# KiCad board 100p-keebored.kicad_pcb (continued)
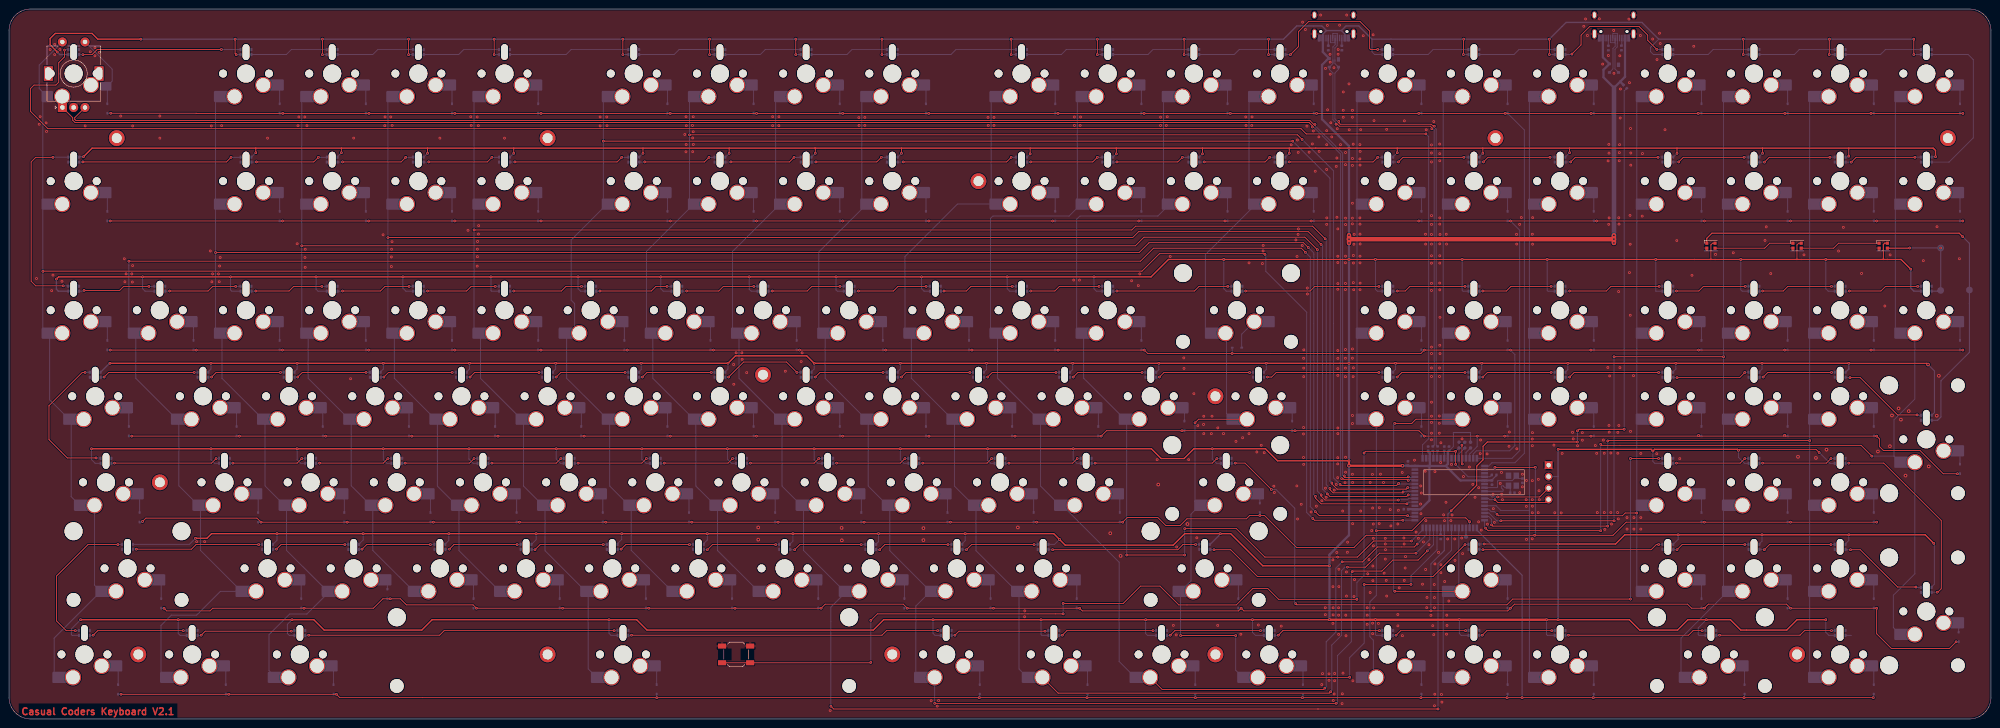
[diagram p0: board, top side]
## Routing (per net, layer and track width the routed paths; a pad name or vN(x,y) marks a point on that pad's centre or on a via; arc(x,y) is an arc through that point) (continued)
  Bottom w0.5: 313.64,56.01 U1.64 309.33,56.01 C3.1 308.08,56.07 v2(308.06,56.06) ; 313.64,56.01 317.64,56.01 ; 313.64,56.01 314.01,56.01 ; 317.64,56.01 320.84,52.81 U1.21 327.81,52.81 327.87,52.87 ; 317.64,56.01 318.09,56.46 U1.8 318.09,59.1 C6.1 ; C7.1 310.76,46.43 U1.52 312.04,46.41 314.01,48.37 314.01,56.01 ; 356.18,141.1 357.26,142.18 J3.A9 ; 356.18,141.1 356.18,141.09 R9.2 ; 356.18,141.1 354.81,139.72 352.49,142.04 352.49,143.71 D130.4 352.36,146.47 J3.A4 ; C4.1 313.73,59.19 314.09,58.83 U1.3 314.09,56.09 314.01,56.01 ; v1(291.91,21.97) v1(291.91,33.91) 291.91,36.37 296.23,40.69 v2(296.23,56.06) v1(296.23,57.15) v1(296.23,78.71) v1(296.23,101.73) v2(296.23,105.36) v2(296.23,107.09) v1(296.23,126.36) 296.23,126.8 290.26,132.77 290.26,144.78 291.69,146.21 D200.4 290.44,147.66 J2.A4
  Bottom w1: 354.81,139.72 354.81,107.07 v2(354.8,107.06) 354.81,107.05 v2(354.8,106.22) v2(354.8,105.38) 354.81,107.04
LED Input: length 403.6
  Top w0.2: v1(12.26,148.08) 12.26,146.56 10.99,145.29 10.99,140.97 10.35,140.33 5.52,140.33 4.76,139.57 4.76,134.49 8.57,130.68 285.61,130.68 286.78,129.51 v1(313.25,129.51)
  Bottom w0.2: D201.4 12.36,148.19 v1(12.26,148.08) ; U1.1 312.49,60.69 313.86,62.05 313.86,128.9 v1(313.25,129.51)
MISO: length 2.7
  Bottom w0.189: J1.1 322.09,58.99 U1.13
MOSI: length 6.3
  Top w0.189: v1(321.27,56.46) 321.2,56.54 v1(321.2,60.62)
  Bottom w0.189: J1.4 321.83,61.26 v1(321.2,60.62) ; v1(321.27,56.46) 321.29,56.48 U1.12
RESET: length 225.1
  Top w0.189: v1(299.55,58.88) 299.94,59.26 v1(319.8,59.26) v1(319.8,56.36)
  Top w0.2: v1(233.03,23.27) 191.96,23.27 v1(190.51,21.82) ; v1(297.98,26.49) 280.66,26.49 278.24,28.91 274.97,28.91 271.31,25.25 258.61,25.25 254.44,29.41 250.15,29.41 246.32,25.58 v1(233.03,25.58) ; v1(190.51,12.52) 190.43,12.44 SW200.2 SW200.2
  Bottom w0.189: R1.2 327.39,53.61 U1.20 322.56,53.61 v1(319.8,56.36) ; v1(299.55,58.88) 299.55,31.8 297.98,30.23 v1(297.98,26.49) ; J1.5 320.54,59.99 v1(319.8,59.26)
  Bottom w0.2: v1(233.03,23.27) v1(233.03,25.58) ; v1(190.51,21.82) v1(190.51,12.52)
Row1: length 509
  Top w0.2: v1(431.94,134.06) v1(411.64,134.06) v1(392.59,134.06) v1(373.44,134.06) v1(349.76,134.06) v1(330.76,134.06) v1(311.66,134.06) v1(289.04,134.06) v1(269.99,134.06) v1(250.94,134.06) v1(231.89,134.06) v1(203.31,134.06) v1(184.29,134.06) v1(165.24,134.06) v1(146.16,134.06) v1(117.61,134.06) v1(98.54,134.06) v1(79.57,134.06) v1(60.52,134.06) 41.41,134.06 41.37,134.09 v1(22.47,134.09)
  Bottom w0.2: v1(117.61,134.06) 117.58,134.09 D6.1 ; v1(22.47,134.09) 22.46,134.09 D1.1 ; D21.1 431.91,134.09 v1(431.94,134.06) ; v1(98.54,134.06) 98.51,134.09 D5.1 ; v1(250.94,134.06) 250.91,134.09 D12.1 ; v1(392.59,134.06) 392.62,134.09 D19.1 ; D18.1 373.47,134.09 v1(373.44,134.06) ; D9.1 184.26,134.09 v1(184.29,134.06) ; D20.1 411.67,134.09 v1(411.64,134.06) ; v1(165.24,134.06) 165.21,134.09 D8.1 ; v1(146.16,134.06) 146.13,134.09 D7.1 ; D11.1 231.86,134.09 v1(231.89,134.06) ; D4.1 79.54,134.09 v1(79.57,134.06) ; D13.1 269.96,134.09 v1(269.99,134.06) ; U1.17 327.11,56.01 327.83,56.72 332.91,56.72 334.99,58.8 334.99,130.39 D16.1 330.79,134.09 v1(330.76,134.06) ; D14.1 289.01,134.09 v1(289.04,134.06) ; v1(60.52,134.06) 60.49,134.09 D3.1 ; v1(349.76,134.06) 349.79,134.09 D17.1 ; D10.1 203.28,134.09 v1(203.31,134.06)
  Bottom w0.25: D15.1 311.69,134.09 v1(311.66,134.06)
Row2: length 484
  Top w0.2: v1(22.36,110.24) v1(60.46,110.24) v1(79.51,110.24) v1(98.56,110.24) v1(117.61,110.24) v1(146.19,110.24) v1(165.24,110.24) v1(184.29,110.24) v1(203.34,110.24) v1(230.72,110.24) v1(249.77,110.24) v1(268.82,110.24) v1(287.87,110.24) v1(311.68,110.24) v1(331.92,110.24) v1(350.97,110.24) v1(374.79,110.24) v1(393.84,110.24) v1(412.89,110.24) v1(431.94,110.24)
  Bottom w0.2: v1(117.61,110.24) 117.58,110.27 D26.1 ; D27.1 146.16,110.27 v1(146.19,110.24) ; D38.1 374.76,110.27 v1(374.79,110.24) ; v1(60.46,110.24) 60.43,110.27 D23.1 ; v1(79.51,110.24) 79.48,110.27 D24.1 ; v1(393.84,110.24) 393.81,110.27 D39.1 ; v1(98.56,110.24) 98.53,110.27 D25.1 ; D22.1 22.33,110.27 v1(22.36,110.24) ; v1(184.29,110.24) 184.26,110.27 D29.1 ; D41.1 431.91,110.27 v1(431.94,110.24) ; D35.1 311.71,110.27 v1(311.68,110.24) ; D37.1 350.94,110.27 v1(350.97,110.24) ; D30.1 203.31,110.27 v1(203.34,110.24) ; D36.1 331.89,110.27 v1(331.92,110.24) 333.97,108.2 333.97,59.41 332.27,57.71 U1.16 ; v1(230.72,110.24) 230.75,110.27 D31.1 ; D33.1 268.85,110.27 v1(268.82,110.24) ; D28.1 165.21,110.27 v1(165.24,110.24) ; D32.1 249.8,110.27 v1(249.77,110.24) ; D40.1 412.86,110.27 v1(412.89,110.24) ; v1(287.87,110.24) 287.9,110.27 D34.1
Row3: length 456.7
  Top w0.2: v1(22.36,81.67) v1(41.39,81.67) v1(60.44,81.67) v1(79.51,81.67) v1(98.54,81.67) v1(117.59,81.67) v1(136.66,81.67) v1(155.71,81.67) v1(174.74,81.67) v1(193.81,81.67) v1(212.86,81.67) v1(231.91,81.67) v1(250.96,81.67) 251.71,80.92 v1(270.4,80.92) 312.13,80.92 v1(312.87,81.67) v1(331.91,81.67) v1(349.71,81.67) v1(373.51,81.67) v1(392.56,81.67) v1(411.64,81.67) v1(431.94,81.67)
  Bottom w0.2: D60.1 392.59,81.7 v1(392.56,81.67) ; v1(231.91,81.67) 231.88,81.7 D53.1 ; D45.1 79.48,81.7 v1(79.51,81.67) ; D44.1 60.41,81.7 v1(60.44,81.67) ; v1(431.94,81.67) 431.91,81.7 D62.1 ; v1(312.87,81.67) 312.84,81.7 D56.1 ; D43.1 41.36,81.7 v1(41.39,81.67) ; v1(212.86,81.67) 212.83,81.7 D52.1 ; v1(411.64,81.67) 411.67,81.7 D61.1 ; v1(155.71,81.67) 155.68,81.7 D49.1 ; D50.1 174.71,81.7 v1(174.74,81.67) ; D57.1 331.88,81.7 v1(331.91,81.67) 332.91,80.68 332.91,60.53 331.74,59.36 324.4,59.36 323.69,58.66 U1.15 ; D42.1 22.33,81.7 v1(22.36,81.67) ; D47.1 117.56,81.7 v1(117.59,81.67) ; D58.1 349.74,81.7 v1(349.71,81.67) ; v1(98.54,81.67) 98.51,81.7 D46.1 ; D54.1 250.93,81.7 v1(250.96,81.67) ; D48.1 136.63,81.7 v1(136.66,81.67) ; D51.1 193.78,81.7 v1(193.81,81.67) ; v1(373.51,81.67) 373.54,81.7 D59.1 ; D55.1 270.41,80.94 v1(270.4,80.92)
Row4: length 428.5
  Top w0.2: v1(430.75,54.28) 427.62,54.28 422.47,59.44 414.37,59.44 413.48,60.32 413.48,62.02 v1(412.89,62.62) 392.74,62.62 v1(392.54,62.81) 392.35,62.62 373.66,62.62 v1(373.51,62.76) 373.37,62.62 v1(349.71,62.62) v1(330.66,62.62) v1(324.57,62.62) v1(312.87,62.62) 311.68,63.81 v1(284.3,63.81) v1(259.3,63.81) 242.63,63.81 v1(241.44,62.62) v1(222.39,62.62) v1(203.36,62.62) v1(184.29,62.62) v1(165.24,62.62) v1(146.19,62.62) v1(127.14,62.62) v1(108.09,62.62) v1(89.04,62.62) v1(69.99,62.62) v1(50.94,62.62) v1(27.12,62.62)
  Bottom w0.2: U1.14 322.89,58.64 324.57,60.32 v1(324.57,62.62) ; D69.1 146.16,62.65 v1(146.19,62.62) ; v1(108.09,62.62) 108.06,62.65 D67.1 ; v1(312.87,62.62) 312.84,62.65 D77.1 ; v1(222.39,62.62) 222.36,62.65 D73.1 ; D76.1 284.27,63.84 v1(284.3,63.81) ; v1(69.99,62.62) 69.96,62.65 D65.1 ; v1(392.54,62.81) 392.71,62.65 D81.1 ; v1(184.29,62.62) 184.26,62.65 D71.1 ; v1(27.12,62.62) 27.1,62.65 D63.1 ; v1(203.36,62.62) 203.33,62.65 D72.1 ; v1(241.44,62.62) 241.41,62.65 D74.1 ; v1(50.94,62.62) 50.91,62.65 D64.1 ; D70.1 165.21,62.65 v1(165.24,62.62) ; v1(412.89,62.62) 412.86,62.65 D82.1 ; D78.1 330.69,62.65 v1(330.66,62.62) ; v1(127.14,62.62) 127.11,62.65 D68.1 ; D79.1 349.74,62.65 v1(349.71,62.62) ; v1(89.04,62.62) 89.01,62.65 D66.1 ; v1(373.51,62.76) 373.63,62.65 D80.1 ; v1(259.3,63.81) 259.33,63.84 D75.1 ; D83.1 430.78,54.31 v1(430.75,54.28)
Row5: length 428.3
  Top w0.2: v1(29.51,43.72) 30.25,44.46 54.81,44.46 v1(55.7,43.57) v1(74.76,43.57) v1(93.81,43.57) v1(112.84,43.57) v1(131.91,43.57) v1(150.94,43.57) v1(170.01,43.57) v1(189.04,43.57) v1(208.11,43.57) v1(227.16,43.57) v1(246.2,43.57) 247.24,44.61 253.94,44.61 255.72,42.82 258.92,42.82 260.4,44.31 273.54,44.31 274.28,45.06 v1(276.52,45.06) 277.53,45.06 284.62,37.97 297.35,37.97 300.04,40.67 v1(337.27,40.67) 354.61,40.67 357.51,43.57 v1(374.79,43.57) v1(393.84,43.57) v1(412.89,43.57) ; v1(328.49,55.7) v1(337.43,55.7)
  Bottom w0.2: v1(337.27,40.67) 337.43,40.82 v1(337.43,55.7) ; D92.1 189.01,43.6 v1(189.04,43.57) ; v1(412.89,43.57) 412.28,43.57 D99.1 ; v1(227.16,43.57) 227.13,43.6 D94.1 ; D85.1 55.67,43.6 v1(55.7,43.57) ; v1(93.81,43.57) 93.78,43.6 D87.1 ; v1(276.52,45.06) 276.52,45.68 D96.1 ; v1(150.94,43.57) 150.91,43.6 D90.1 ; D95.1 246.17,43.6 v1(246.2,43.57) ; D93.1 208.08,43.6 v1(208.11,43.57) ; U1.18 327.99,55.21 v1(328.49,55.7) ; v1(131.91,43.57) 131.88,43.6 D89.1 ; D91.1 169.98,43.6 v1(170.01,43.57) ; D88.1 112.81,43.6 v1(112.84,43.57) ; v1(74.76,43.57) 74.73,43.6 D86.1 ; v1(393.84,43.57) 393.23,43.57 D98.1 ; v1(374.79,43.57) 374.76,43.6 D97.1 ; v1(29.51,43.72) 29.39,43.6 D84.1
Row6: length 439.7
  Top w0.2: v1(430.45,17.08) 428.96,15.59 416.16,15.59 412.89,18.86 v1(412.89,24.52) v1(393.84,24.52) 392.94,25.41 375.68,25.41 v1(374.79,24.52) 371.96,24.52 371.07,25.41 332.82,25.41 v1(331.92,24.52) 331.33,23.92 v1(314.34,23.92) 272.99,23.92 v1(272.39,24.52) 271.8,23.92 237.27,23.92 v1(236.67,24.52) v1(217.62,24.52) v1(198.57,24.52) 197.68,25.41 180.42,25.41 v1(179.52,24.52) v1(160.47,24.52) v1(141.41,24.52) v1(122.37,24.52) v1(103.32,24.52) 102.58,25.26 87.85,25.26 86.51,26.6 v1(84.27,26.6) 82.64,26.6 80.55,24.52 v1(65.22,24.52) 45.03,24.52 44.43,23.92 34.86,23.92 v1(34.27,24.52)
  Bottom w0.2: D106.1 160.45,24.55 v1(160.47,24.52) ; v1(331.92,24.52) 331.89,24.55 D112.1 ; v1(272.39,24.52) 272.36,24.55 D111.1 ; D100.1 33.66,24.52 v1(34.27,24.52) ; v1(412.89,24.52) 412.86,24.55 D115.1 ; D107.1 179.5,24.55 v1(179.52,24.52) ; v1(141.41,24.52) 141.38,24.55 D105.1 ; v1(393.84,24.52) 393.81,24.55 D114.1 ; v1(103.32,24.52) 103.3,24.55 D103.1 ; v1(122.37,24.52) 122.35,24.55 D104.1 ; v1(314.34,23.92) 314.34,34.34 316.52,36.53 ; v1(430.45,17.08) 430.48,17.11 D116.1 ; v1(374.79,24.52) 374.76,24.55 D113.1 ; D108.1 198.55,24.55 v1(198.57,24.52) ; v1(65.22,24.52) 65.2,24.55 D101.1 ; v1(84.27,26.6) 84.25,26.63 D102.1 ; v1(217.62,24.52) 217.6,24.55 D109.1 ; v1(236.67,24.52) 236.64,24.55 D110.1
  Bottom w0.25: 316.53,36.52 317.29,37.28 U1.42
Row7: length 439.5
  Top w0.2: v1(24.74,5.47) v1(72.37,5.47) 73.11,4.72 v1(143.21,4.72) v1(214.5,4.72) v1(238.31,4.72) v1(262.27,4.72) v1(285.94,4.72) v1(312.13,4.72) v1(331.18,4.72) v1(334.51,4.72) v1(350.23,4.72) v1(383.57,4.72) v1(412.14,4.72)
  Bottom w0.2: v1(383.57,4.72) 383.68,4.84 D128.1 ; D117.1 24.71,5.5 v1(24.74,5.47) ; D129.1 412.25,4.84 v1(412.14,4.72) ; D127.1 350.34,4.84 v1(350.23,4.72) ; D118.1 48.53,5.5 v1(48.56,5.47) ; D119.1 72.34,5.5 v1(72.37,5.47) ; v1(312.13,4.72) 312.24,4.84 D125.1 ; D123.1 262.23,4.76 v1(262.27,4.72) ; D120.1 143.17,4.76 v1(143.21,4.72) ; D126.1 331.29,4.84 v1(331.18,4.72) ; D122.1 238.42,4.84 v1(238.31,4.72) ; D121.1 214.61,4.84 v1(214.5,4.72) ; D124.1 286.05,4.84 v1(285.94,4.72)
  Bottom w0.25: U1.33 324.49,41.83 334.51,31.82 v1(334.51,4.72)
SCK: length 2.8
  Bottom w0.189: U1.11 320.49,58.66 J1.3
SCL: length 15.2
  Top w0.2: J4.3 338.39,49.15 v1(329.07,49.15)
  Bottom w0.2: U1.25 327.38,49.61 327.84,49.15 v1(329.07,49.15)
SDA: length 14.8
  Top w0.2: J4.4 339.71,47.93 329.11,47.93 v1(328.49,48.55)
  Bottom w0.2: U1.26 327.04,48.81 327.3,48.55 v1(328.49,48.55)
sw1Out: length 17.6
  Bottom w0.2: D1.2 21.73,139.48 20.87,140.33 ; SW130.S1 22.8,143.87 22.8,141.22 21.63,140.06 SW1.1
Net-(D3-A): length 4.5
  Bottom w0.2: D3.2 59.83,139.48 SW3.1
Net-(D4-A): length 4.5
  Bottom w0.2: SW4.1 78.88,139.48 D4.2
Net-(D5-A): length 4.5
  Bottom w0.2: D5.2 97.93,139.48 SW5.1
Net-(D6-A): length 4.5
  Bottom w0.2: SW6.1 116.98,139.48 D6.2
Net-(D7-A): length 4.5
  Bottom w0.2: D7.2 145.55,139.48 SW7.1
Net-(D8-A): length 4.5
  Bottom w0.2: D8.2 164.6,139.48 SW8.1
Net-(D9-A): length 4.5
  Bottom w0.2: SW9.1 183.65,139.48 D9.2
Net-(D10-A): length 4.5
  Bottom w0.2: SW10.1 202.7,139.48 D10.2
Net-(D11-A): length 4.5
  Bottom w0.2: D11.2 231.28,139.48 SW11.1
Net-(D12-A): length 4.5
  Bottom w0.2: D12.2 250.33,139.48 SW12.1
Net-(D13-A): length 4.5
  Bottom w0.2: D13.2 269.38,139.48 SW13.1
Net-(D14-A): length 4.5
  Bottom w0.2: SW14.1 288.43,139.48 D14.2
Net-(D15-A): length 4.5
  Bottom w0.2: D15.2 312.24,139.48 SW15.1
Net-(D16-A): length 4.5
  Bottom w0.2: D16.2 331.29,139.48 SW16.1
Net-(D17-A): length 4.5
  Bottom w0.2: SW17.1 350.34,139.48 D17.2
Net-(D18-A): length 4.5
  Bottom w0.2: D18.2 374.15,139.48 SW18.1
Net-(D19-A): length 4.5
  Bottom w0.2: SW19.1 393.2,139.48 D19.2
Net-(D20-A): length 4.5
  Bottom w0.2: D20.2 412.25,139.48 SW20.1
Net-(D21-A): length 4.5
  Bottom w0.2: SW21.1 431.3,139.48 D21.2
Net-(D22-A): length 4.5
  Bottom w0.2: SW22.1 21.73,115.67 D22.2
Net-(D23-A): length 4.5
  Bottom w0.2: D23.2 59.83,115.67 SW23.1
Net-(D24-A): length 4.5
  Bottom w0.2: D24.2 78.88,115.67 SW24.1
Net-(D25-A): length 4.5
  Bottom w0.2: D25.2 97.93,115.67 SW25.1
Net-(D26-A): length 4.5
  Bottom w0.2: D26.2 116.98,115.67 SW26.1
Net-(D27-A): length 4.5
  Bottom w0.2: D27.2 145.55,115.67 SW27.1
Net-(D28-A): length 4.5
  Bottom w0.2: SW28.1 164.6,115.67 D28.2
Net-(D29-A): length 4.5
  Bottom w0.2: SW29.1 183.65,115.67 D29.2
Net-(D30-A): length 4.5
  Bottom w0.2: D30.2 202.7,115.67 SW30.1
Net-(D31-A): length 4.5
  Bottom w0.2: D31.2 231.28,115.67 SW31.1
Net-(D32-A): length 4.5
  Bottom w0.2: SW32.1 250.33,115.67 D32.2
Net-(D33-A): length 4.5
  Bottom w0.2: D33.2 269.38,115.67 SW33.1
Net-(D34-A): length 4.5
  Bottom w0.2: SW34.1 288.43,115.67 D34.2
Net-(D35-A): length 4.5
  Bottom w0.2: D35.2 312.24,115.67 SW35.1
Net-(D36-A): length 4.5
  Bottom w0.2: SW36.1 331.29,115.67 D36.2
Net-(D37-A): length 4.5
  Bottom w0.2: D37.2 350.34,115.67 SW37.1
Net-(D38-A): length 4.5
  Bottom w0.2: D38.2 374.15,115.67 SW38.1
Net-(D39-A): length 4.5
  Bottom w0.2: D39.2 393.2,115.67 SW39.1
Net-(D40-A): length 4.5
  Bottom w0.2: D40.2 412.25,115.67 SW40.1
Net-(D41-A): length 4.5
  Bottom w0.2: SW41.1 431.3,115.67 D41.2
Net-(D42-A): length 4.5
  Bottom w0.2: SW42.1 21.73,87.09 D42.2
Net-(D43-A): length 4.5
  Bottom w0.2: SW43.1 40.78,87.09 D43.2
Net-(D44-A): length 4.5
  Bottom w0.2: D44.2 59.83,87.09 SW44.1
Net-(D45-A): length 4.5
  Bottom w0.2: D45.2 78.88,87.09 SW45.1
Net-(D46-A): length 4.5
  Bottom w0.2: D46.2 97.93,87.09 SW46.1
Net-(D47-A): length 4.5
  Bottom w0.2: D47.2 116.98,87.09 SW47.1
Net-(D48-A): length 4.5
  Bottom w0.2: D48.2 136.03,87.09 SW48.1
Net-(D49-A): length 4.5
  Bottom w0.2: D49.2 155.08,87.09 SW49.1
Net-(D50-A): length 4.5
  Bottom w0.2: D50.2 174.13,87.09 SW50.1
Net-(D51-A): length 4.5
  Bottom w0.2: SW51.1 193.18,87.09 D51.2
Net-(D52-A): length 4.5
  Bottom w0.2: D52.2 212.23,87.09 SW52.1
Net-(D53-A): length 4.5
  Bottom w0.2: D53.2 231.28,87.09 SW53.1
Net-(D54-A): length 4.5
  Bottom w0.2: SW54.1 250.33,87.09 D54.2
Net-(D55-A): length 8.1
  Bottom w0.2: 278.9,87.09 SW55.1 ; SW55.1 272.51,85.19 D55.2
Net-(D56-A): length 4.5
  Bottom w0.2: D56.2 312.24,87.09 SW56.1
Net-(D57-A): length 4.5
  Bottom w0.2: D57.2 331.29,87.09 SW57.1
Net-(D58-A): length 4.5
  Bottom w0.2: D58.2 350.34,87.09 SW58.1
Net-(D59-A): length 4.5
  Bottom w0.2: SW59.1 374.15,87.09 D59.2
Net-(D60-A): length 4.5
  Bottom w0.2: SW60.1 393.2,87.09 D60.2
Net-(D61-A): length 4.5
  Bottom w0.2: D61.2 412.25,87.09 SW61.1
Net-(D62-A): length 4.5
  Bottom w0.2: D62.2 431.3,87.09 SW62.1
Net-(D63-A): length 4.5
  Bottom w0.2: SW63.1 26.49,68.04 D63.2
Net-(D64-A): length 4.5
  Bottom w0.2: SW64.1 50.3,68.04 D64.2
Net-(D65-A): length 4.5
  Bottom w0.2: SW65.1 69.35,68.04 D65.2
Net-(D66-A): length 4.5
  Bottom w0.2: D66.2 88.4,68.04 SW66.1
Net-(D67-A): length 4.5
  Bottom w0.2: SW67.1 107.45,68.04 D67.2
Net-(D68-A): length 4.5
  Bottom w0.2: SW68.1 126.5,68.04 D68.2
Net-(D69-A): length 4.5
  Bottom w0.2: SW69.1 145.55,68.04 D69.2
Net-(D70-A): length 4.5
  Bottom w0.2: SW70.1 164.6,68.04 D70.2
Net-(D71-A): length 4.5
  Bottom w0.2: SW71.1 183.65,68.04 D71.2
Net-(D72-A): length 4.5
  Bottom w0.2: D72.2 202.7,68.04 SW72.1
Net-(D73-A): length 4.5
  Bottom w0.2: SW73.1 221.75,68.04 D73.2
Net-(D74-A): length 4.5
  Bottom w0.2: SW74.1 240.8,68.04 D74.2
Net-(D75-A): length 3.3
  Bottom w0.2: SW75.1 259.85,68.04 D75.2
Net-(D76-A): length 3.3
  Bottom w0.2: D76.2 283.67,68.04 SW76.1
Net-(D77-A): length 4.5
  Bottom w0.2: D77.2 312.24,68.04 SW77.1
Net-(D78-A): length 4.5
  Bottom w0.2: D78.2 331.29,68.04 SW78.1
Net-(D79-A): length 4.5
  Bottom w0.2: D79.2 350.34,68.04 SW79.1
Net-(D80-A): length 4.5
  Bottom w0.2: SW80.1 374.15,68.04 D80.2
Net-(D81-A): length 4.5
  Bottom w0.2: D81.2 393.2,68.04 SW81.1
Net-(D82-A): length 4.5
  Bottom w0.2: SW82.1 412.25,68.04 D82.2
Net-(D83-A): length 3.3
  Bottom w0.2: SW83.1 431.3,58.52 D83.2
Net-(D84-A): length 4.5
  Bottom w0.2: SW84.1 28.87,48.99 D84.2
Net-(D85-A): length 4.5
  Bottom w0.2: SW85.1 55.07,48.99 D85.2
Net-(D86-A): length 4.5
  Bottom w0.2: D86.2 74.12,48.99 SW86.1
Net-(D87-A): length 4.5
  Bottom w0.2: SW87.1 93.17,48.99 D87.2
Net-(D88-A): length 4.5
  Bottom w0.2: SW88.1 112.22,48.99 D88.2
Net-(D89-A): length 4.5
  Bottom w0.2: SW89.1 131.27,48.99 D89.2
Net-(D90-A): length 4.5
  Bottom w0.2: D90.2 150.32,48.99 SW90.1
Net-(D91-A): length 4.5
  Bottom w0.2: D91.2 169.37,48.99 SW91.1
Net-(D92-A): length 4.5
  Bottom w0.2: SW92.1 188.42,48.99 D92.2
Net-(D93-A): length 4.5
  Bottom w0.2: D93.2 207.47,48.99 SW93.1
Net-(D94-A): length 4.5
  Bottom w0.2: SW94.1 226.52,48.99 D94.2
Net-(D95-A): length 4.5
  Bottom w0.2: D95.2 245.57,48.99 SW95.1
Net-(D96-A): length 2.4
  Bottom w0.2: SW96.1 276.52,48.99 D96.2
Net-(D97-A): length 4.5
  Bottom w0.2: SW97.1 374.15,48.99 D97.2
Net-(D98-A): length 4.5
  Bottom w0.2: D98.2 393.2,48.99 SW98.1
Net-(D99-A): length 4.5
  Bottom w0.2: D99.2 412.25,48.99 SW99.1
Net-(D100-A): length 4.5
  Bottom w0.2: SW100.1 33.64,29.94 D100.2
Net-(D101-A): length 4.5
  Bottom w0.2: SW101.1 64.59,29.94 D101.2
Net-(D102-A): length 2.4
  Bottom w0.2: SW102.1 83.64,29.94 D102.2
Net-(D103-A): length 4.5
  Bottom w0.2: D103.2 102.69,29.94 SW103.1
Net-(D104-A): length 4.5
  Bottom w0.2: D104.2 121.74,29.94 SW104.1
Net-(D105-A): length 4.5
  Bottom w0.2: D105.2 140.79,29.94 SW105.1
Net-(D106-A): length 4.5
  Bottom w0.2: D106.2 159.84,29.94 SW106.1
Net-(D107-A): length 4.5
  Bottom w0.2: D107.2 178.89,29.94 SW107.1
Net-(D108-A): length 4.5
  Bottom w0.2: SW108.1 197.94,29.94 D108.2
Net-(D109-A): length 4.5
  Bottom w0.2: SW109.1 216.99,29.94 D109.2
Net-(D110-A): length 4.5
  Bottom w0.2: SW110.1 236.04,29.94 D110.2
Net-(D111-A): length 4.5
  Bottom w0.2: SW111.1 271.76,29.94 D111.2
Net-(D112-A): length 4.5
  Bottom w0.2: D112.2 331.29,29.94 SW112.1
Net-(D113-A): length 4.5
  Bottom w0.2: SW113.1 374.15,29.94 D113.2
Net-(D114-A): length 4.5
  Bottom w0.2: D114.2 393.2,29.94 SW114.1
Net-(D115-A): length 4.5
  Bottom w0.2: D115.2 412.25,29.94 SW115.1
Net-(D116-A): length 2.3
  Bottom w0.2: D116.2 431.01,20.71 SW116.1
Net-(D117-A): length 4.5
  Bottom w0.2: D117.2 24.11,10.89 SW117.1
Net-(D118-A): length 4.5
  Bottom w0.2: D118.2 47.92,10.89 SW118.1
Net-(D119-A): length 4.5
  Bottom w0.2: SW119.1 71.74,10.89 D119.2
Net-(D120-A): length 4.5
  Bottom w0.2: D120.2 143.17,10.89 SW120.1
Net-(D121-A): length 4.5
  Bottom w0.2: D121.2 214.61,10.89 SW121.1
Net-(D122-A): length 4.5
  Bottom w0.2: D122.2 238.42,10.89 SW122.1
Net-(D123-A): length 4.5
  Bottom w0.2: D123.2 262.23,10.89 SW123.1
Net-(D124-A): length 4.5
  Bottom w0.2: SW124.1 286.05,10.89 D124.2
Net-(D125-A): length 4.5
  Bottom w0.2: SW125.1 312.24,10.89 D125.2
Net-(D126-A): length 4.5
  Bottom w0.2: SW126.1 331.29,10.89 D126.2
Net-(D127-A): length 4.5
  Bottom w0.2: SW127.1 350.34,10.89 D127.2
Net-(D128-A): length 4.5
  Bottom w0.2: 382.82,11.75 383.68,10.89 D128.2
Net-(D129-A): length 4.5
  Bottom w0.2: SW129.1 412.25,10.89 D129.2
Net-(D201-DOUT): length 36.2
  Top w0.2: v1(46.95,148.21) 19.49,148.21 18.35,147.07 v1(16.32,147.07)
  Bottom w0.2: D201.2 16.3,147.09 v1(16.32,147.07) ; 51.19,148.19 51.17,148.21 v1(46.95,148.21)
Net-(D203-DOUT): length 17.3
  Bottom w0.2: 70.32,148.19 62.4,148.19 61.3,147.09 53.5,147.09
Net-(D204-DOUT): length 17.3
  Bottom w0.2: 72.55,147.09 80.41,147.09 81.51,148.19 89.37,148.19
Net-(D205-DOUT): length 17.3
  Bottom w0.2: 91.6,147.09 99.4,147.09 100.5,148.19 108.42,148.19
Net-(D206-DOUT): length 26.8
  Bottom w0.2: 110.65,147.09 123.15,147.09 124.25,148.19 137,148.19
Net-(D207-DOUT): length 17.3
  Bottom w0.2: 156.05,148.19 156.03,148.21 148.15,148.21 147.02,147.09 139.22,147.09
Net-(D208-DOUT): length 17.3
  Bottom w0.2: 158.27,147.09 166.07,147.09 167.17,148.19 175.1,148.19
Net-(D209-DOUT): length 17.3
  Bottom w0.2: 177.32,147.09 185.25,147.09 186.35,148.19 194.15,148.19
Net-(D210-DOUT): length 26.8
  Bottom w0.2: 196.37,147.09 208.24,147.09 209.34,148.19 222.72,148.19
Net-(D211-DOUT): length 17.3
  Bottom w0.2: 241.77,148.19 233.72,148.19 232.62,147.09 224.95,147.09
Net-(D212-DOUT): length 17.3
  Bottom w0.2: 260.82,148.19 252.9,148.19 251.8,147.09 244,147.09
Net-(D213-DOUT): length 17.3
  Bottom w0.2: 279.87,148.19 271.95,148.19 270.85,147.09 263.05,147.09
Net-(D214-DOUT): length 31.4
  Top w0.2: v1(302.58,148.21) 301,148.21 300.8,148.41 300.8,152.27 298.64,154.43 287.34,154.43 285.05,152.15 285.05,148.84 v1(283.27,147.07)
  Bottom w0.2: 303.69,148.19 303.67,148.21 v1(302.58,148.21) ; 282.1,147.09 283.25,147.09 v1(283.27,147.07)
Net-(D215-DOUT): length 17.3
  Bottom w0.2: 322.74,148.19 314.81,148.19 313.71,147.09 305.91,147.09
Net-(D216-DOUT): length 17.3
  Bottom w0.2: 324.96,147.09 332.7,147.09 333.8,148.19 341.79,148.19
Net-(D217-DOUT): length 28.2
  Top w0.2: v1(364.3,148.21) 362.27,150.24 362.27,151.38 360.36,153.29 349.44,153.29 347.54,151.38 347.54,149.22 v1(345.5,147.19)
  Bottom w0.2: v1(364.3,148.21) 365.58,148.21 ; v1(345.5,147.19) 345.4,147.09 344.01,147.09
Net-(D218-DOUT): length 17.3
  Bottom w0.2: 367.82,147.09 375.62,147.09 376.72,148.19 384.65,148.19
Net-(D219-DOUT): length 17.3
  Bottom w0.2: 386.87,147.09 394.67,147.09 395.77,148.19 403.7,148.19
Net-(D220-DOUT): length 17.3
  Bottom w0.2: 405.92,147.09 413.72,147.09 414.82,148.19 422.75,148.19
Net-(D221-DOUT): length 38.5
  Bottom w0.2: 424.97,147.09 433.11,147.09 434.25,145.95 434.25,128.65 428.88,123.28 424.97,123.28
Net-(D222-DOUT): length 17.3
  Top w0.2: v1(407.28,123.27) 408.34,124.33 v1(421.35,124.33)
  Bottom w0.2: 422.75,124.38 421.39,124.38 v1(421.35,124.33) ; v1(407.28,123.27) 405.93,123.27 405.92,123.28
Net-(D223-DOUT): length 17.3
  Top w0.2: v1(388.07,123.27) 389.14,124.33 v1(402.55,124.33)
  Bottom w0.2: v1(402.55,124.33) 402.59,124.38 403.7,124.38 ; v1(388.07,123.27) 386.88,123.27
Net-(D224-DOUT): length 17.3
  Top w0.2: v1(369.13,123.32) 370.14,124.33 v1(383.6,124.33)
  Bottom w0.2: v1(369.13,123.32) 367.87,123.32 367.82,123.28 ; v1(383.6,124.33) 383.65,124.38 384.65,124.38
Net-(D225-DOUT): length 22
  Top w0.2: v1(345.25,123.32) 346.27,124.33 v1(364.55,124.33)
  Bottom w0.2: v1(345.25,123.32) 344.05,123.32 ; 365.6,124.38 364.6,124.38 v1(364.55,124.33)
Net-(D226-DOUT): length 17.3
  Top w0.2: v1(325.95,123.32) 326.96,124.33 v1(340.68,124.33)
  Bottom w0.2: 341.79,124.38 340.72,124.38 v1(340.68,124.33) ; v1(325.95,123.32) 325,123.32 324.96,123.28
Net-(D227-DOUT): length 17.3
  Top w0.2: v1(321.63,124.33) 308.17,124.33 v1(307.15,123.32)
  Bottom w0.2: 322.74,124.38 321.67,124.38 v1(321.63,124.33) ; 305.91,123.28 305.95,123.32 v1(307.15,123.32)
Net-(D228-DOUT): length 22
  Top w0.2: v1(302.58,124.33) 301.56,123.32 v1(283.02,123.32)
  Bottom w0.2: v1(283.02,123.32) 282.98,123.28 282.1,123.28 ; 303.69,124.38 303.65,124.33 v1(302.58,124.33)
Net-(D229-DOUT): length 17.3
  Top w0.2: v1(278.7,124.33) 277.69,123.32 v1(264.22,123.32)
  Bottom w0.2: 263.05,123.28 264.18,123.28 v1(264.22,123.32) ; v1(278.7,124.33) 279.83,124.33 279.87,124.38
Net-(D230-DOUT): length 17.3
  Top w0.2: v1(259.4,124.33) 258.38,123.32 v1(244.92,123.32)
  Bottom w0.2: 244,123.28 244.88,123.28 v1(244.92,123.32) ; v1(259.4,124.33) 260.78,124.33 260.82,124.38
Net-(D231-DOUT): length 17.2
  Top w0.2: v1(225.87,123.32) 239.59,123.32 v1(240.6,124.33)
  Bottom w0.2: v1(240.6,124.33) 241.73,124.33 ; 224.95,123.28 225.83,123.28 v1(225.87,123.32)
Net-(D232-DOUT): length 26.8
  Top w0.2: v1(221.55,124.33) 220.54,123.32 v1(197.68,123.32)
  Bottom w0.2: v1(221.55,124.33) 222.68,124.33 222.72,124.38 ; v1(197.68,123.32) 197.63,123.28 196.37,123.28
Net-(D233-DOUT): length 17.3
  Top w0.2: v1(192.85,124.33) 191.83,123.32 v1(178.37,123.32)
  Bottom w0.2: 177.32,123.28 178.33,123.28 v1(178.37,123.32) ; 194.15,124.38 194.11,124.33 v1(192.85,124.33)
